# Altium PCB LFI Power Board PCB1.PcbDoc
Units mil, origin at the board's own origin, x right, y up, seen from the top; angles counter-clockwise.
Board outline 9386.73 x 3631.97 mil, 2 copper layers (Top Layer, Bottom Layer); 123 components, 78 nets, 388 pads, 379 vias.
Unrouted connection lines stored in the file: 1.
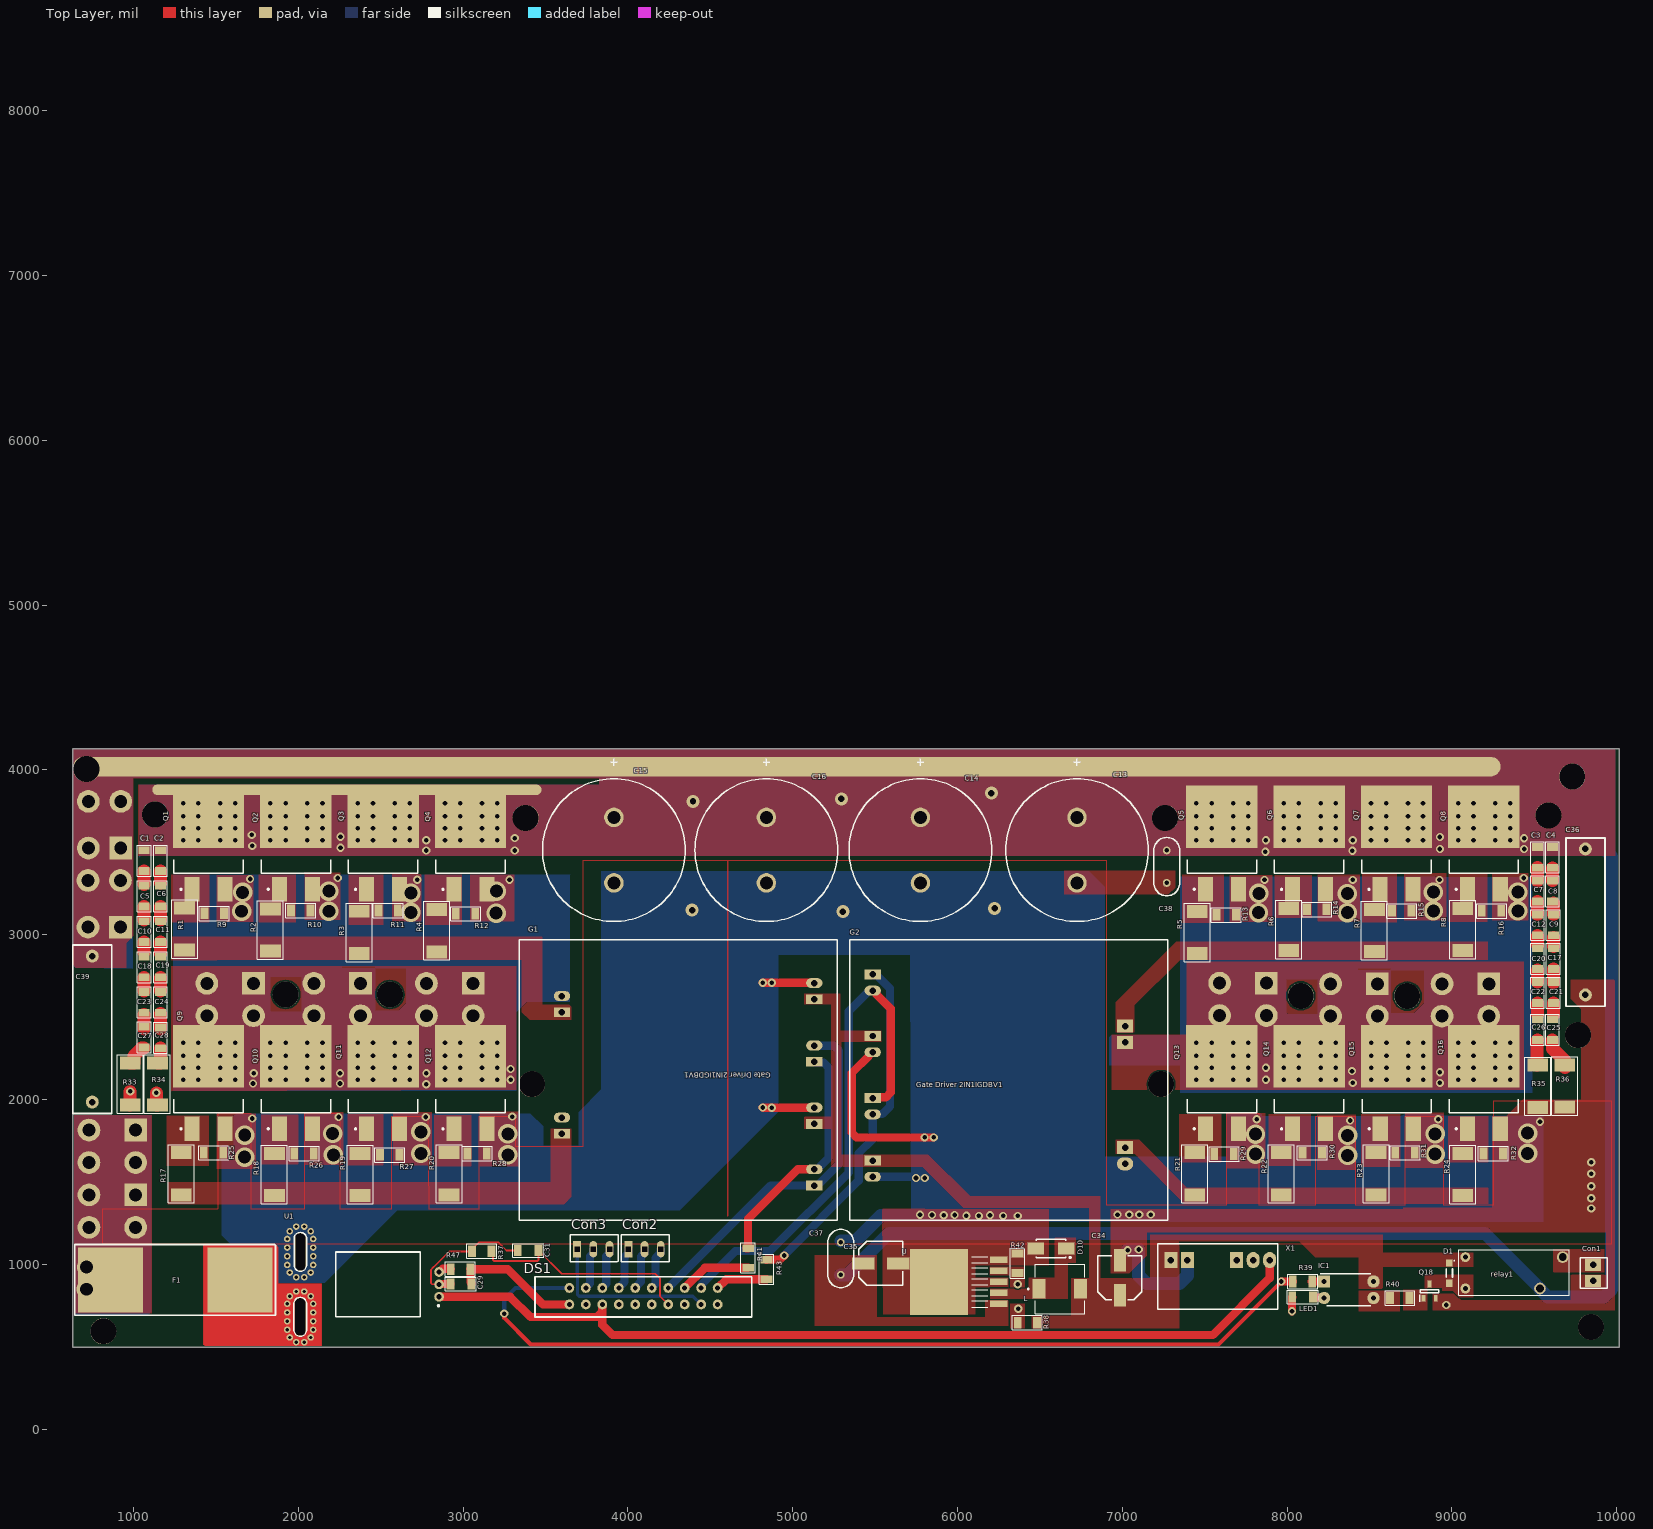
[diagram p0: Top Layer view]
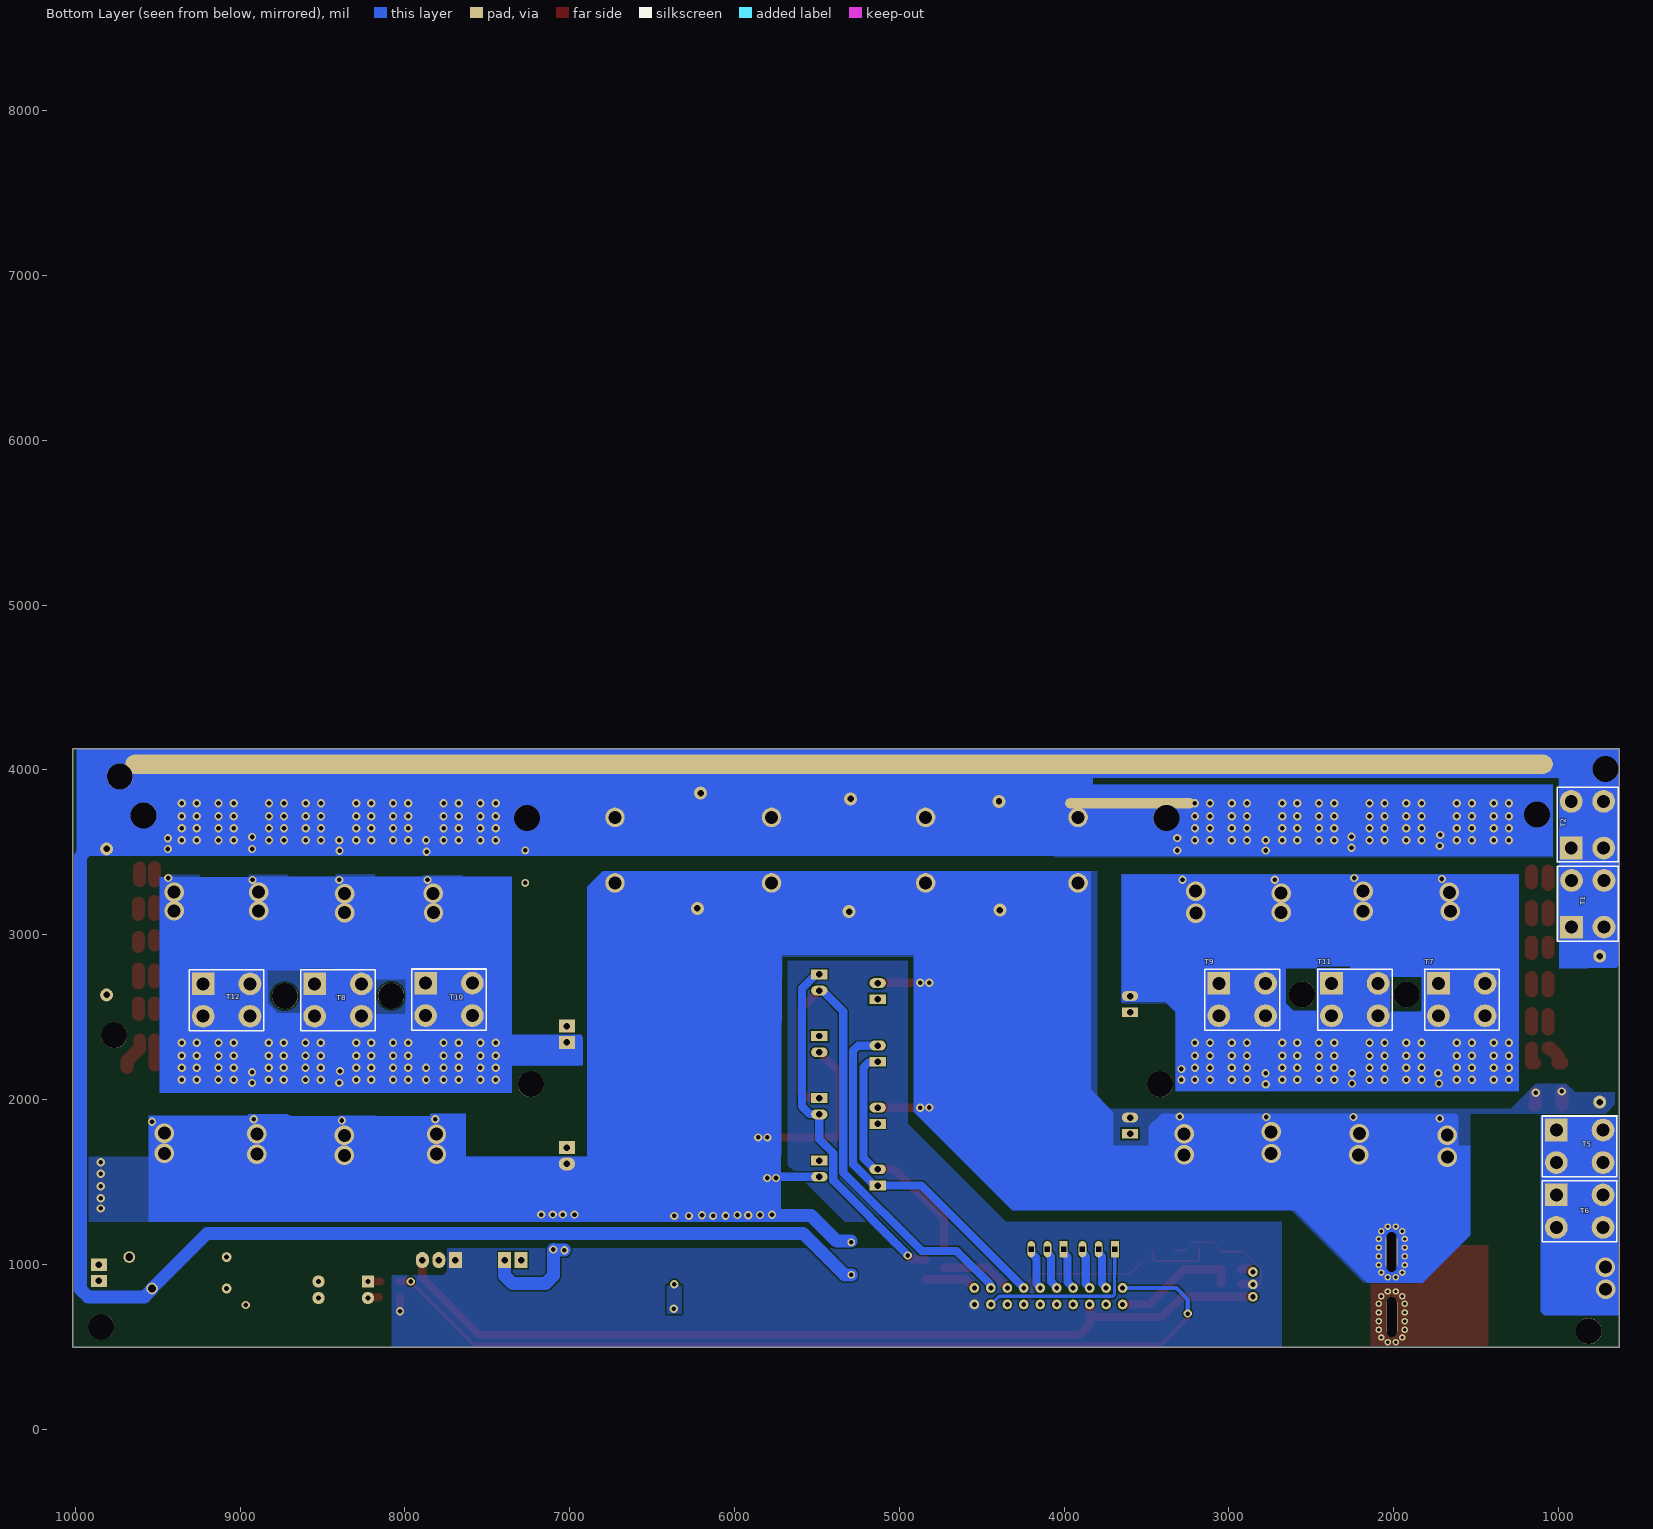
[diagram p1: Bottom Layer view, seen from below]
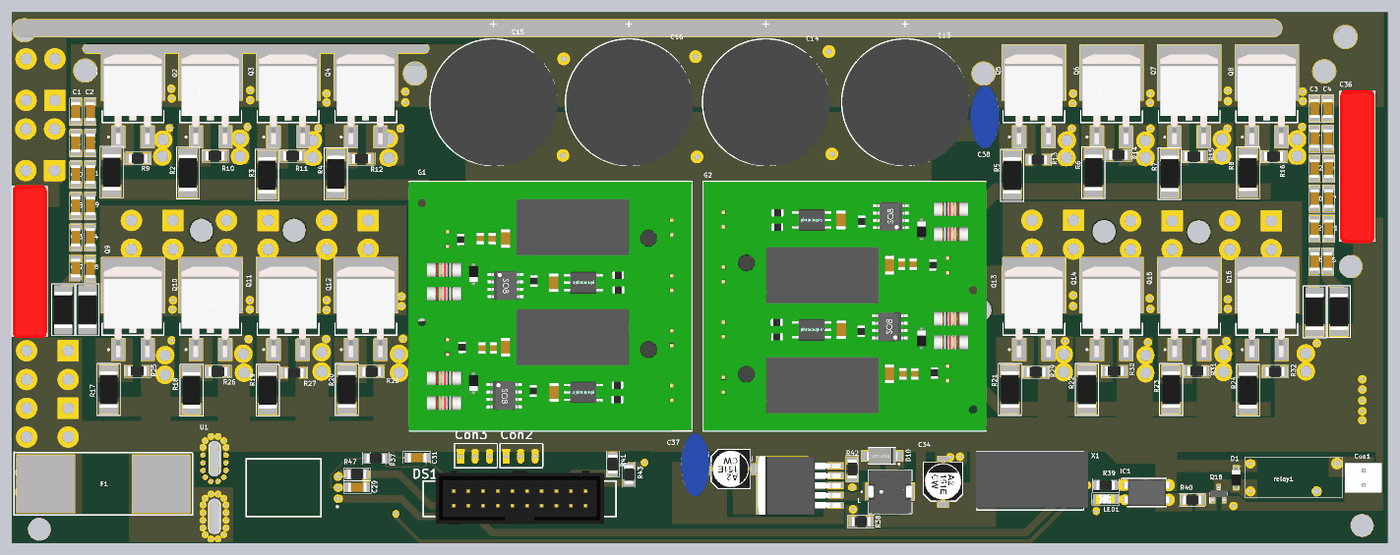
[diagram p2: 3D render of the assembled board from above, using the file's embedded part models]

## Layer stack, top to bottom
Top Solder: solder mask 0.3937, Solder Resist, Dk 3.5
Top Layer: signal copper 1.4173
Dielectric 1: dielectric 12.5984, FR-4, Dk 4.8
Bottom Layer: signal copper 1.4173
Bottom Solder: solder mask 0.3937, Solder Resist, Dk 3.5

## Board outline
630,498.03 630,4130 10016.73,4130 10016.73,498.03

## Design rules (kind name [scope] priority, off if disabled: settings)
Clearance [All] p1: gap=10 ignorepadtopadclearanceinfootprint=FALSE except(0: Arc-Hole Track-Hole SMDPad-Hole THPad-Hole Via-Hole Fill-Hole Poly-Hole Region-Hole Text-Hole)
Height [All] p1: minheight=0 maxheight=3165.35 prefheight=500
PolygonConnect [All] p1: connectstyle=Direct reliefconductorwidth=10 reliefentries=4 polygonreliefangle="90 Angle" airgapwidth=10
RoutingVias [All] p1: holewidth=28 width=50 viastyle="Through Hole" minholewidth=28 minwidth=50 maxholewidth=28 maxwidth=50
SolderMaskExpansion [All] p1: expansion=4 istentingtop=FALSE
Width [All] p1: maxlimit=78.74 minlimit=10 preferedwidth=10 minimp=50.000000 maximp=50.000000 favimp=50.000000
29 further rules are at their usual default settings.

## Components (designator, comment, footprint, x,y, rotation, side; value= is the part's Value field where it differs from the comment)
C1 "uF" C-1206 1065,3450 r90 top
C2 "uF" C-1206 1165,3450 r90 top
C3 "uF" C-1206 9520,3470 r90 top
C4 "uF" C-1206 9610,3470 r90 top
C5 "uF" C-1206 1065,3235 r90 top
C6 "uF" C-1206 1165,3235 r90 top
C7 "uF" C-1206 9520,3265 r90 top
C8 "uF" C-1206 9610,3265 r90 top
C9 "uF" C-1206 9615,3060 r90 top
C10 "uF" C-1206 1065,3019.9 r90 top
C11 "uF" C-1206 1165,3019.9 r90 top
C12 "uF" C-1206 9520,3060 r90 top
C13 "63v 4700uF" "Koshin 63v 4700 cap" 6725,3315 r90 top
C14 "63v 4700uF" "Koshin 63v 4700 cap" 5775,3315 r90 top
C15 "63v 4700uF" "Koshin 63v 4700 cap" 3915,3315 r90 top
C16 "63v 4700uF" "Koshin 63v 4700 cap" 4840,3315 r90 top
C17 "uF" C-1206 9615,2855 r90 top
C18 "uF" C-1206 1065,2805 r90 top
C19 "uF" C-1206 1165,2805 r90 top
C20 "uF" C-1206 9520,2855 r90 top
C21 "uF" C-1206 9615,2650 r90 top
C22 "uF" C-1206 9520,2650 r90 top
C23 "uF" C-1206 1065,2590 r90 top
C24 "uF" C-1206 1165,2590 r90 top
C25 "uF" C-1206 9610,2425 r90 top
C26 "uF" C-1206 9520,2425 r90 top
C27 "uF" C-1206 1065,2380 r90 top
C28 "uF" C-1206 1165,2375 r90 top
C29 "uF" C-1206 2986.22,881.89 r0 top
C31 "uF" C-1206 3394.69,1084.65 r0 top
C34 "uF" CapSmdElc 6984.82,920.14 r90 top
C35 "uF" CapSmdElc 5534.09,1006.34 r0 top
C36 "680nF bulk" "680nF bulk" 9928.11,2566.1 r90 top
C37 "2n2 2000v" "2n2 2000v" 5291.34,1133.86 r270 top
C38 "2n2 2000v" "2n2 2000v" 7270,3315 r90 top
C39 "680nF bulk" "680nF bulk" 868.11,1916.1 r90 top
Con1 "Connector2_1" 2pinCon 9856.3,997.05 r0 top
Con2 "Connector" "Output Connector" 4003.94,1092.52 r90 top
Con3 "Connector" "Output Connector" 3692.91,1092.52 r90 top
D1 "1N4148" SOD123 8981.59,1006.13 r270 top
D10 "do214" DO-214AC 6567.52,1096.34 r180 top
DS1 "NHD-0208BZ-FL-YBW" idc20 4544.69,857.28 r180 top
F1 "fuse" Fuse 1647.4,905 r90 top
G1 "GateDriver Board" "Gate Driver"#1 5270.28,2970.94 r180 top locked
G2 "GateDriver Board" "Gate Driver"#2 5346.22,1267.87 r0 top
IC1 "EL817(C)" DIP762W60P254L458H480Q4N 8374.09,846.34 r0 top
L "150uH" IND_B1047AS-151M=P3 6621.59,851.34 r0 top
LED1 "LTST-C150KGKT" L-1206 8094.09,801.34 r0 top
Q1 "irfs4127" DPAK_TO263 1455.47,3520 r90 top locked
Q2 "irfs4127" DPAK_TO263 1985.24,3520 r90 top locked
Q3 "irfs4127" DPAK_TO263 2515,3520 r90 top locked
Q4 "irfs4127" DPAK_TO263 3044.76,3520 r90 top locked
Q5 "irfs4127" DPAK_TO263 7603.82,3520 r90 top locked
Q6 "irfs4127" DPAK_TO263 8133.58,3520 r90 top locked
Q7 "irfs4127" DPAK_TO263 8663.35,3520 r90 top locked
Q8 "irfs4127" DPAK_TO263 9193.11,3520 r90 top locked
Q9 "irfs4127" DPAK_TO263 1455.47,2066.93 r90 top locked
Q10 "irfs4127" DPAK_TO263 1985.24,2066.93 r90 top locked
Q11 "irfs4127" DPAK_TO263 2515,2066.93 r90 top locked
Q12 "irfs4127" DPAK_TO263 3044.76,2066.93 r90 top locked
Q13 "irfs4127" DPAK_TO263 7603.82,2066.93 r90 top locked
Q14 "irfs4127" DPAK_TO263 8133.58,2066.93 r90 top locked
Q15 "irfs4127" DPAK_TO263 8665.12,2066.93 r90 top locked
Q16 "irfs4127" DPAK_TO263 9193.11,2066.93 r90 top locked
Q18 "BC817-40,235" SOT95P230X110-3N 8864.09,838.03 r90 top
R1 "1" R-2512W 1310,3035 r90 top
R2 "1" R-2512W 1830.71,3029.9 r90 top
R3 "1" R-2512W 2370,3015 r90 top
R4 "1" R-2512W 2840,3025 r90 top
R5 "1" R-2512W 7455,3013.43 r90 top
R6 "1" R-2512W 8010,3032.5 r90 top
R7 "1" R-2512W 8530,3025.93 r90 top
R8 "1" R-2512W 9065,3031.65 r90 top
R9 "10K" R-1206 1490,3130 r180 top
R10 "10K" R-1206 2015,3147.95 r180 top
R11 "10K" R-1206 2545,3147.95 r180 top
R12 "10K" R-1206 3015,3128.43 r180 top
R13 "10K" R-1206 7630,3121.85 r180 top
R14 "10K" R-1206 8180,3155 r180 top
R15 "10K" R-1206 8695,3145 r180 top
R16 "10K" R-1206 9240,3145 r180 top
R17 "1" R-2512W 1290,1550 r90 top
R18 "1" R-2512W 1855,1545 r90 top
R19 "1" R-2512W 2375,1545 r90 top
R20 "1" R-2512W 2915,1550 r90 top
R21 "1" R-2512W 7440,1550 r90 top
R22 "1" R-2512W 7965,1550 r90 top
R23 "1" R-2512W 8540,1550 r90 top
R24 "1" R-2512W 9065,1545 r90 top
R25 "10K" R-1206 1485.2,1677.95 r180 top
R26 "10K" R-1206 2035,1672.95 r180 top
R27 "10K" R-1206 2555,1665 r180 top
R28 "10K" R-1206 3085,1672.95 r180 top
R29 "10K" R-1206 7617.5,1670 r180 top
R30 "10K" R-1206 8152.5,1677.95 r180 top
R31 "10K" R-1206 8715,1677.95 r180 top
R32 "10K" R-1206 9250,1672.95 r180 top
R33 "1" R-2512W 980,2095 r90 top
R34 "1" R-2512W 1145,2095 r90 top
R35 "1" R-2512W 9520,2080.88 r90 top
R36 "1" R-2512W 9685,2082.05 r90 top
R37 "10K" R-1206 3113.19,1079.72 r0 top
R38 "1K" R-1206 6424.09,646.34 r0 top
R39 "10K" R-1206 8092.91,896.34 r180 top
R40 "10K" R-1206 8684.09,796.34 r180 top
R41 "10K" R-1206 4729.33,1039.37 r270 top
R42 "1K" R-1206 6364.29,1006.34 r270 top
R43 "10K" R-1206 4840.55,968.74 r270 top
R47 "10K" R-1206 2984.25,970.47 r0 top
relay1 "relay" Relay 9041.97,813.78 r0 top
T1 "TCon" tCon 920.91,3046.54 r90 bottom
T2 "TCon" tCon 922.76,3526.54 r90 bottom
T5 "TCon" tCon 1013.46,1815 r180 bottom
T6 "TCon" tCon 1013.46,1422.05 r180 bottom
T7 "TCon" tCon 1728.35,2705.71 r180 bottom
T8 "TCon" tCon 8547.24,2702.76 r180 bottom
T9 "TCon" tCon 3061.02,2705.71 r180 bottom
T10 "TCon" tCon 7874.02,2706.69 r180 bottom
T11 "TCon" tCon 2377.52,2705.71 r180 bottom
T12 "TCon" tCon 9223.46,2702.76 r180 bottom
U "LM2576-12WU" TO17P1435X465-6N 5893.09,894.41 r90 top
U1 "ACS758ECB-200B-PFF-T" ACS756SCA-050B-PFF-T_2 2228.35,682.09 r90 top
X1 "R24P21503D" SIP7 7294.09,1026.34 r90 top

## Footprints (in the part's own frame and the unit in brackets; to place one, negate y for a bottom-side part, rotate by r counter-clockwise, add the part's x,y. Pads: shape width x height; smd on the part's side, far side on the other; paste and mask are expansions set on the pad)
"2n2 2000v" [mm]
  round 1.2 hole 0.7: 1(0,0) 2(5,0)
  silkscreen extent -2,-2 7,2, body extent -3.05,-2.47 7.95,2.53, height 12.5
2pinCon [mm]
  rect 2.5x1.9 hole 1: 1(0,0.025) 2(0,-2.475)
  silkscreen extent -1.96,-3.57 2.22,1.1, body extent -3.3,-3.81 3.05,1.27, height 10.68
"680nF bulk" [mm]
  round 2 hole 1: 1(1.75,3) 2(24.25,3)
  silkscreen extent 0,-0.03 25.95,6, body extent -0.35,-0.05 26.15,5.95, height 15
ACS756SCA-050B-PFF-T_2 [mm]
  round 1.5 hole 0.8: 1(3.09,-15.9) 2(5,-15.9) 3(6.91,-15.9)
  round 1 hole 0.5: 4(6.098,6.118) 4(6.098,4.882) 4(6.824,3.882) 4(6.824,7.118) 4(8,3.5) 4(8,7.5) 4(9.333,3.5) 4(9.333,7.5) 4(10.667,3.5) 4(10.667,7.5) 4(12,3.5) 4(12,7.5) 4(13.176,3.882) 4(13.176,7.118) 4(13.902,4.882) 4(13.902,6.118) 5(-3.902,6.118) 5(-3.902,4.882) 5(-3.176,3.882) 5(-3.176,7.118) 5(-2,3.5) 5(-2,7.5) 5(-0.667,7.5) 5(-0.667,3.5) 5(0.667,7.5) 5(0.667,3.5) 5(2,3.5) 5(2,7.5) 5(3.176,3.882) 5(3.176,7.118) 5(3.902,6.118) 5(3.902,4.882)
  silkscreen extent -3,-15.94 13.01,6.5
C-1206 [mm]
  rect 1.2x1.7 smd: 1(-1.6,0) 2(1.6,0)
  silkscreen extent -2.4,-1.05 2.37,1.05, body extent -1.6,-0.8 1.6,0.8, height 1
CapSmdElc [mm] "Aluminum Electrolytic Capacitor, Body 6.70x6.70x6.30mm, IPC Low Density"
  rect 3.45x1.85 smd: 1(-2.7,0) 2(2.7,0)
  silkscreen extent -3.4,-3.4 3.4,3.4, body extent -3.45,-3.27 3.55,3.32, height 6.92
DIP762W60P254L458H480Q4N [mm]
  rect 1.9x1.9 hole 0.8: 1(-3.81,1.27)
  round 1.9 hole 0.8: 2(-3.81,-1.27) 3(3.81,-1.27) 4(3.81,1.27)
  silkscreen extent -4.41,-2.44 3.4,2.44, body extent -3.96,-2.29 3.96,2.29, height 4.8
DO-214AC [mm]
  rect 2.5x1.8 smd: a(2.35,0) k(-2.35,0)
  silkscreen extent -3.08,-1.45 2.3,1.51, body extent -2.77,-1.42 2.72,1.37, height 2.3
DPAK_TO263 [mm] "D2-PAK, 3-Pads, Body 7.93x8.70mm (max), IPC Medium Density"
  rect 3.81x2.32 smd: 1(-6.2,2.54) 2(-6.2,-2.54)
  rect 9.65x11 smd: 3(5,0)
  silkscreen extent -6.32,-5.35 -1.62,5.35, body extent -7.51,-4.98 8.16,5.02, height 4.81
Fuse [mm]
  rect 10x10 smd: 1(0,0) 2(0,20)
  silkscreen extent -5.43,-5.45 5.53,25.48
"Gate Driver"#1 [mm]
  rect 2.524x1.524 hole 1: 1(3.525,37.9) 3(3.525,28.4) 5(3.525,18.825) 7(3.525,9.2) 9(42.425,29.925) 11(42.425,11.2)
  oval 2.524x1.524 hole 1: 2(3.525,35.4) 4(3.525,25.9) 6(3.525,16.325) 8(3.525,6.7) 10(42.425,27.425) 12(42.425,8.7)
  silkscreen extent 0,0 49,43.25, body extent 0,0 49.1,43.25, height 14.34
"Gate Driver"#2 [mm]
  rect 2.524x1.524 hole 1: 1(3.525,37.9) 3(3.525,28.4) 5(3.525,18.825) 7(3.525,9.2)
  oval 2.524x1.524 hole 1: 2(3.525,35.4) 4(3.525,25.9) 6(3.525,16.325) 8(3.525,6.7)
  rect 2.524x2 hole 1: 9(42.425,29.925) 10(42.425,27.425) 11(42.425,11.2)
  oval 2.524x2 hole 1: 12(42.425,8.7)
  silkscreen extent 0,0 49,43.25, body extent 0,0 49.1,43.25, height 14.34
idc20 [mil]
  round 60 hole 30: 1(0,0) 2(100,0) 3(200,0) 4(300,0) 5(400,0) 6(500,0) 7(600,0) 8(700,0) 9(800,0) 10(900,0) 11(0,100) 12(100,100) 13(200,100) 14(300,100) 15(400,100) 16(500,100) 17(600,100) 18(700,100) 19(800,100) 20(900,100)
  silkscreen extent -208,-68 1108,176, body extent -125,-139 1025,230, height 350
IND_B1047AS-151M=P3 [mm]
  rect 2x3 smd: 1(-3.2,0) 2(3.2,0)
  silkscreen extent -5,-3.8 3.8,3.8, body extent -3.8,-3.8 3.8,3.8, height 5.01
"Koshin 63v 4700 cap" [mm]
  round 3 hole 2: 1(0,0) 2(10.1,0)
  silkscreen extent -5.95,-11 19.1,11, body extent -6.05,-11.18 15.95,10.82, height 49.77
L-1206 [mm]
  rect 1.2x1.7 smd: 1(-1.6,0) 2(1.6,0)
  silkscreen extent -2.4,-1.05 2.37,1.05, body extent -1.73,-0.8 1.48,0.8, height 1.11
"Output Connector" [mm]
  rect 2.5x1.2 hole 0.762 square: 1(0,0.025)
  oval 2.5x1.2 hole 0.762 square: 2(0,-2.475) 3(0,-4.975)
  silkscreen extent -1.96,-6.3 2.22,1.1
R-1206 [mm]
  rect 1.2x1.8 smd: 1(-1.5,0) 2(1.5,0)
  silkscreen extent -2.32,-1.1 2.27,1.12, body extent -1.6,-0.78 1.6,0.83, height 0.56
R-2512W [mm] "resistor 2512 wave soldering"
  rect 2x3.2 smd: 1(-3.25,0) 2(3.25,0)
  silkscreen extent -4.5,-2 4.5,2, body extent -3.15,-1.55 3.15,1.55, height 0.55
Relay [mm]
  round 1.524 hole 0.762: 1(1,5.86) 2(1,1.016)
  round 1.8 hole 1.2: 3(12.5,1.016) 4(16,5.86)
  silkscreen extent 0,0 17,7
SIP7 [mm]
  rect 2.5x2 hole 1: 1(0,0) 2(0,-2.54) 5(0,-10.16)
  oval 2.5x2 hole 1: 6(0,-12.7) 7(0,-15.24)
  silkscreen extent -7.62,-16.51 2.54,2.03, body extent -7.24,-17.24 2.58,2.26, height 11.66
SOD123 [mm]
  rect 1.1x0.95 smd: a(3.063,0.05) k(-0.062,0.05)
  silkscreen extent -0.46,-0.43 2.15,0.87, body extent -0.38,-0.78 3.32,0.83, height 1.28
SOT95P230X110-3N [mm]
  rect 1.05x0.6 smd: 1(-1.1,0.95) 2(-1.1,-0.95) 3(1.1,0)
  silkscreen extent -1.63,-1.45 0.23,1.5, body extent -1.15,-1.45 1.15,1.45, height 1.1
tCon [mm]
  round 3.5 hole 2: 1(0,-5) 1(7.2,-5) 1(7.2,0)
  rect 3.5x3.5 hole 2: 1(0,0)
  silkscreen extent -2.15,-7.22 9.35,2.17
TO17P1435X465-6N [mil]
  rect 40x106 smd: 1(-134,-356) 2(-67,-356) 3(0,-356) 4(67,-356) 5(134,-356)
  rect 400x352 smd: 6(0,6)
  silkscreen extent -153,-289 153,-194, body extent -201,-392 199,173, height 184

## Part data
C1 C2 C3 C4 C5 C6 C7 C8 C9 C10 C11 C12 C17 C18 C19 C20 C21 C22 C23 C24 C25 C26 C27 C28 C29 C31: library part C-1206
C13 C14 C15 C16: library part "Aluminum Electrolytic Capacitors", "PKL5-063V472MM450 Aluminum Electrolytic Capacitors - Snap In 63volts 4700uF 20%", Capacitance=4.7mF, Case/Package=Radial, Manufacturer=Nichicon, Manufacturer Part Number=LKS1J472MESZ, Max Operating Temperature=85°C, Min Operating Temperature=-40°C, Package Quantity=250, Ripple Current=3A, Supplier Part Number 1=647-LKS1J472MESZ, Tolerance=20%, Voltage Rating=63V, ComponentLink2Description=https://www.ozdisan.com/pasif-komponentler/kondansatorler/aluminyum-kondansatorler/PKL5-063V472MM450, ComponentLink2URL=https://www.ozdisan.com/pasif-komponentler/kondansatorler/aluminyum-kondansatorler/PKL5-063V472MM450, Diameter=22mm, Height - Seated (Max)=1.772inch, Lead Pitch=0.394inch, Length=45mm, Life (Hours)=1000Hour, Mount="Through Hole", Packaging=Bulk, RoHS=Yes, Supplier 1=Mouser, Termination="Snap in", Voltage Rating (DC)=63V
C34 C35: library part C-10uf
D1 D10: "DIODE FAST SWITCHING Single 150mA 75V SMT SOD323"
DS1: "Display", Manufacturer_Name="Newhaven Display", Mouser Part Number=763-0208BZ-FL-YBW, Allied Price/Stock=https://www.alliedelec.com/newhavendisplayinternational-nhd-0208bz-fl-ybw/70518052/, Allied_Number=70518052, Datasheet Link=https://www.newhavendisplay.com/specs/NHD-0208BZ-FL-YBW.pdf, Height=13.5mm, Manufacturer_Part_Number=NHD-0208BZ-FL-YBW, Mouser Price/Stock=https://www.mouser.com/Search/Refine.aspx?Keyword=763-0208BZ-FL-YBW
IC1: "Integrated Circuit", Manufacturer_Name=Everlight, Mouser Part Number=638-EL817C, Datasheet Link=https://componentsearchengine.com/Datasheets/1/EL817(C).pdf, Height=4.8mm, Manufacturer_Part_Number=EL817(C), Mouser Price/Stock=https://www.mouser.com/Search/Refine.aspx?Keyword=638-EL817C
L: "Inductor with Inductance: 150uH Tol. +/-20%, Package: 2929 _7373_", Package=NONSTANDARD, Availability=Unavailable, MF=Murata, MP=B1047AS-151M=P3, Price=None, SnapEDA_Link=https://www.snapeda.com/parts/B1047AS-151M%3DP3/Murata/view-part/4548598/?ref=snap
LED1: "LED", Manufacturer_Name=Lite-On, Mouser Part Number=859-LTST-C150KGKT, RS Part Number=6920871, Datasheet Link=http://optoelectronics.liteon.com/upload/download/ds22-2000-072/ltst-c150kgkt.pdf, Height=1.2mm, Manufacturer_Part_Number=LTST-C150KGKT, Mouser Price/Stock=https://www.mouser.com/Search/Refine.aspx?Keyword=859-LTST-C150KGKT, RS Price/Stock=https://uk.rs-online.com/web/p/products/6920871
Q1 Q2 Q3 Q4 Q5 Q6 Q7 Q8 Q9 Q10 Q11 Q12 Q13 Q14 Q15 Q16: library part IRFS4127TRLPBF, "MOSFET N-CH 200V 72A D2PAK", Case/Package=D2PAK, Continuous Drain Current (ID)=72A, Drain to Source Breakdown Voltage=200V, Drain to Source Resistance=22mR, Gate to Source Voltage (Vgs)=20V, Input Capacitance=5.38nF, Manufacturer="International Rectifier", Max Operating Temperature=175°C, Max Power Dissipation=375W, Min Operating Temperature=-55°C, On-State Resistance=22MR, Package Quantity=1, Supplier Part Number 1=IRFS4127TRLPBFCT-ND, ComponentLink1Description=https://datasheet.ciiva.com/939/irfs4127pbf-939456.pdf?src-supplier=Digi-Key, ComponentLink1URL=https://datasheet.ciiva.com/939/irfs4127pbf-939456.pdf?src-supplier=Digi-Key, ComponentLink2Description=https://datasheet.ciiva.com/939/irfs4127pbf-939457.pdf?src-supplier=Digi-Key, ComponentLink2URL=https://datasheet.ciiva.com/939/irfs4127pbf-939457.pdf?src-supplier=Digi-Key, ComponentLink3Description=https://datasheet.ciiva.com/939/irfs4127pbf-939458.pdf?src-supplier=Digi-Key, ComponentLink3URL=https://datasheet.ciiva.com/939/irfs4127pbf-939458.pdf?src-supplier=Digi-Key, ComponentLink4Description=https://datasheet.ciiva.com/16221/irfs4127pbf-16221031.pdf?src-supplier=Future+Electronics, ComponentLink4URL=https://datasheet.ciiva.com/16221/irfs4127pbf-16221031.pdf?src-supplier=Future+Electronics, Drain to Source Voltage (Vdss)=200V, Element Configuration=Single, Fall Time=22ns, Manufacturer Part Number=IRFS4127TRLPBF, Mount="Surface Mount", Number of Pins=3, Packaging="Tape and Reel", Power Dissipation=375W, Pricing 1="1 = 3,97000, 10 = 3,54100, 100 = 2,90330 (USD)", Rds On Max=22mR, Rise Time=18ns, RoHS=Yes, Stock 1=15054, Supplier 1=Digi-Key, Turn-Off Delay Time=56ns, Turn-On Delay Time=17ns
Q18: "Transistor BJT NPN", Manufacturer_Name=Nexperia, Mouser Part Number=771-BC817-40235, RS Part Number=1707957, Datasheet Link=http://assets.nexperia.com/documents/data-sheet/BC817_BC817W_BC337.pdf, Height=1.1mm, Manufacturer_Part_Number=BC817-40,235, Mouser Price/Stock=https://www.mouser.com/Search/Refine.aspx?Keyword=771-BC817-40235, RS Price/Stock=http://uk.rs-online.com/web/p/products/1707957
R1 R2 R3 R4 R5 R6 R7 R8 R17 R18 R19 R20 R21 R22 R23 R24 R33 R34 R35 R36: library part "0207 melf", ComponentLink1Description=https://www.ozdisan.com/pasif-komponentler/direncler/smt-smd-direncler/M271UFG100KT20, ComponentLink1URL=https://www.ozdisan.com/pasif-komponentler/direncler/smt-smd-direncler/M271UFG100KT20
R9 R10 R11 R12 R13 R14 R15 R16 R25 R26 R27 R28 R29 R30 R31 R32 R37 R38 R39 R40 R41 R42 R43 R47: library part R-1206_GS, "1206S4F1002T5E", ComponentLink1Description=link, ComponentLink1URL=https://www.ozdisan.com/pasif-komponentler/direncler/smt-smd-direncler/1206S4F1002T5E
T1 T2 T5 T6 T7 T8 T9 T10 T11 T12: library part "Terminal Connector", ComponentLink1Description=https://www.ozdisan.com/konnektor-baglanti-elemanlari/terminal-konnektorler/vida-tipi-konnektorler/K36-00AH, ComponentLink1URL=https://www.ozdisan.com/konnektor-baglanti-elemanlari/terminal-konnektorler/vida-tipi-konnektorler/K36-00AH
U: "Buck Switching Regulator IC Positive Fixed 12V 1 Output 3A TO-263-6, DÂ²Pak _5 Leads + Tab_, TO-263BA", Package="TO-263-5 Microchip", Availability=Unavailable, MF=Microchip, MP=LM2576-12WU, Price=None, SnapEDA_Link=https://www.snapeda.com/parts/LM2576-12WU/Microchip/view-part/2873733/?ref=snap
U1: "Undefined or Miscellaneous", Manufacturer_Name="Allegro Microsystems", Arrow Part Number=ACS758ECB-200B-PFF-T, Arrow Price/Stock=https://www.arrow.com/en/products/acs758ecb-200b-pff-t/allegro-microsystems, Datasheet Link=http://www.farnell.com/datasheets/926109.pdf, Manufacturer_Part_Number=ACS758ECB-200B-PFF-T
X1: Manufacturer=Recom, Max Output Voltage=15V, Supplier Part Number 1=945-3071-5-ND, Height=12.5mm, Length=19.5mm, Manufacturer Part Number=R24P21503D, Pricing 1="1 = 8.78000, 5 = 8.71200, 10 = 8.64500, 25 = 8.51200, 50 = 8.24600, 100 = 7.44800, 250 = 7.31500, 500 = 7.18200 (USD)", RoHS=No, Stock 1=378, Supplier 1=Digi-Key, Weight=4.3g, Width=9.8mm
Con1: System=Connector

## Free pads (board coordinates)
  round 157.48 hole 157.48: 27(715,4005) 27(816.93,594.49) 27(1130,3730) 27(1923.23,2637.69) 27(2555.57,2637.69) 27(3380,3710) 27(3416.89,2093.43) 27(7235.79,2093.43) 27(7260,3710) 27(8082.68,2629.92) 27(8728.79,2627.85) 27(9585,3725) 27(9730,3960) 27(9763.78,2390.75) 27(9843.06,620.64)
  oval 2362.2x62.99 smd: 28(2295,3880)
  oval 787.4x62.99 smd far side: 28(3600,3797.56)
  oval 8661.42x118.11 smd: 28(4965.12,4020)
  oval 8661.42x118.11 smd far side: 28(5365,4035)
  oval 70x230 hole 240 slot 60 at 0 deg: 29(2012.22,680.75) 29(2013.38,1075.23)

## Via types
v1: diameter 50, hole 28, Top Layer to Bottom Layer, 339 vias
v2: diameter 118.11, hole 78.74, Top Layer to Bottom Layer, 34 vias
v3: diameter 78.74, hole 39.37, Top Layer to Bottom Layer, 6 vias

## Nets (pads, with @x,y where several pads share a name; then routed paths per layer and width w, separated by ;. In a path a pad name is that pad's centre, name@x,y a point inside that pad or via, vN(x,y) a via of type N, cw(c..) or ccw(c..) an arc to the next point about the centre after c; other vN are vias at no path point)
5v: C34.1 D1.k G1.3 G1.7 G2.3 G2.7 IC1.4 L.2 R38.2 relay1.1 X1.1
+48v: C1.2 C2.2 C3.2 C4.2 C13.2 C14.2 C15.2 C16.2 C35.1 C36.2 C37.2 C38.2 C39.2 pad.27@715,4005 pad.27@1130,3730 pad.27@3380,3710 pad.27@7260,3710 pad.27@9585,3725 pad.27@9730,3960 pad.28 Q1.3 Q2.3 Q3.3 Q4.3 Q5.3 Q6.3 Q7.3 Q8.3 relay1.3 T1.1 T2.1 U.1 | length 7766.2
  Bottom Layer w78.74: C37.2 5332.68,937.01 5583.33,1187.66 9200.22,1187.66 relay1.3 9534.09,849.27 9580.22,803.15 9922.96,803.15 9969.08,849.27 9969.08,3474.7 9922.96,3520.83 C36.2
  other v1: 7868.11,3503.94 8396.3,3509.73 2776.57,3511.81 3313.98,3511.81 8927.17,3520.83 9437.99,3520.83 2255.91,3527.56 1720.47,3539.37 1300.94,3573.15 1393.46,3573.15 1525.35,3573.15 1616.89,3573.15 1830.71,3573.15 1923.23,3573.15 2055.12,3573.15 2146.65,3573.15 2360.47,3573.15 2452.99,3573.15 2584.88,3573.15 2676.42,3573.15 2776.57,3573.15 2890.24,3573.15 2982.76,3573.15 3114.65,3573.15 3206.18,3573.15 7449.29,3573.15 7541.81,3573.15 7673.7,3573.15 7765.24,3573.15 7871.06,3573.15 7979.06,3573.15 8071.57,3573.15 8203.46,3573.15 8295,3573.15 8398.62,3573.15 8508.82,3573.15 8601.34,3573.15 8733.23,3573.15 8824.76,3573.15 9038.58,3573.15 9131.1,3573.15 9262.99,3573.15 9354.53,3573.15 9437.99,3585.63 3313.98,3586.61 8927.17,3593.5 2255.91,3595.47 1717.52,3606.3 1300.94,3646.97 1393.46,3646.97 1525.35,3646.97 1616.89,3646.97 1830.71,3646.97 1923.23,3646.97 2055.12,3646.97 2146.65,3646.97 2360.47,3646.97 2452.99,3646.97 2584.88,3646.97 2676.42,3646.97 2890.24,3646.97 2982.76,3646.97 3114.65,3646.97 3206.18,3646.97 7449.29,3646.97 7541.81,3646.97 7673.7,3646.97 7765.24,3646.97 7979.06,3646.97 8071.57,3646.97 8203.46,3646.97 8295,3646.97 8508.82,3646.97 8601.34,3646.97 8733.23,3646.97 8824.76,3646.97 9038.58,3646.97 9131.1,3646.97 9262.99,3646.97 9354.53,3646.97 1300.94,3718.82 1393.46,3718.82 1525.35,3718.82 1616.89,3718.82 1830.71,3718.82 1923.23,3718.82 2055.12,3718.82 2146.65,3718.82 2360.47,3718.82 2452.99,3718.82 2584.88,3718.82 2676.42,3718.82 2890.24,3718.82 2982.76,3718.82 3114.65,3718.82 3206.18,3718.82 7449.29,3718.82 7541.81,3718.82 7673.7,3718.82 7765.24,3718.82 7979.06,3718.82 8071.57,3718.82 8203.46,3718.82 8295,3718.82 8508.82,3718.82 8601.34,3718.82 8733.23,3718.82 8824.76,3718.82 9038.58,3718.82 9131.1,3718.82 9262.99,3718.82 9354.53,3718.82 1300.94,3797.56 1393.46,3797.56 1525.35,3797.56 1616.89,3797.56 1830.71,3797.56 1923.23,3797.56 2055.12,3797.56 2146.65,3797.56 2360.47,3797.56 2452.99,3797.56 2584.88,3797.56 2676.42,3797.56 2890.24,3797.56 2982.76,3797.56 3114.65,3797.56 3206.18,3797.56 7449.29,3797.56 7541.81,3797.56 7673.7,3797.56 7765.24,3797.56 7979.06,3797.56 8071.57,3797.56 8203.46,3797.56 8295,3797.56 8508.82,3797.56 8601.34,3797.56 8733.23,3797.56 8824.76,3797.56 9038.58,3797.56 9131.1,3797.56 9262.99,3797.56 9354.53,3797.56